# Allegro board BeagleBone_AI-64_Rev_B1_PCB_220602.brd (continued)
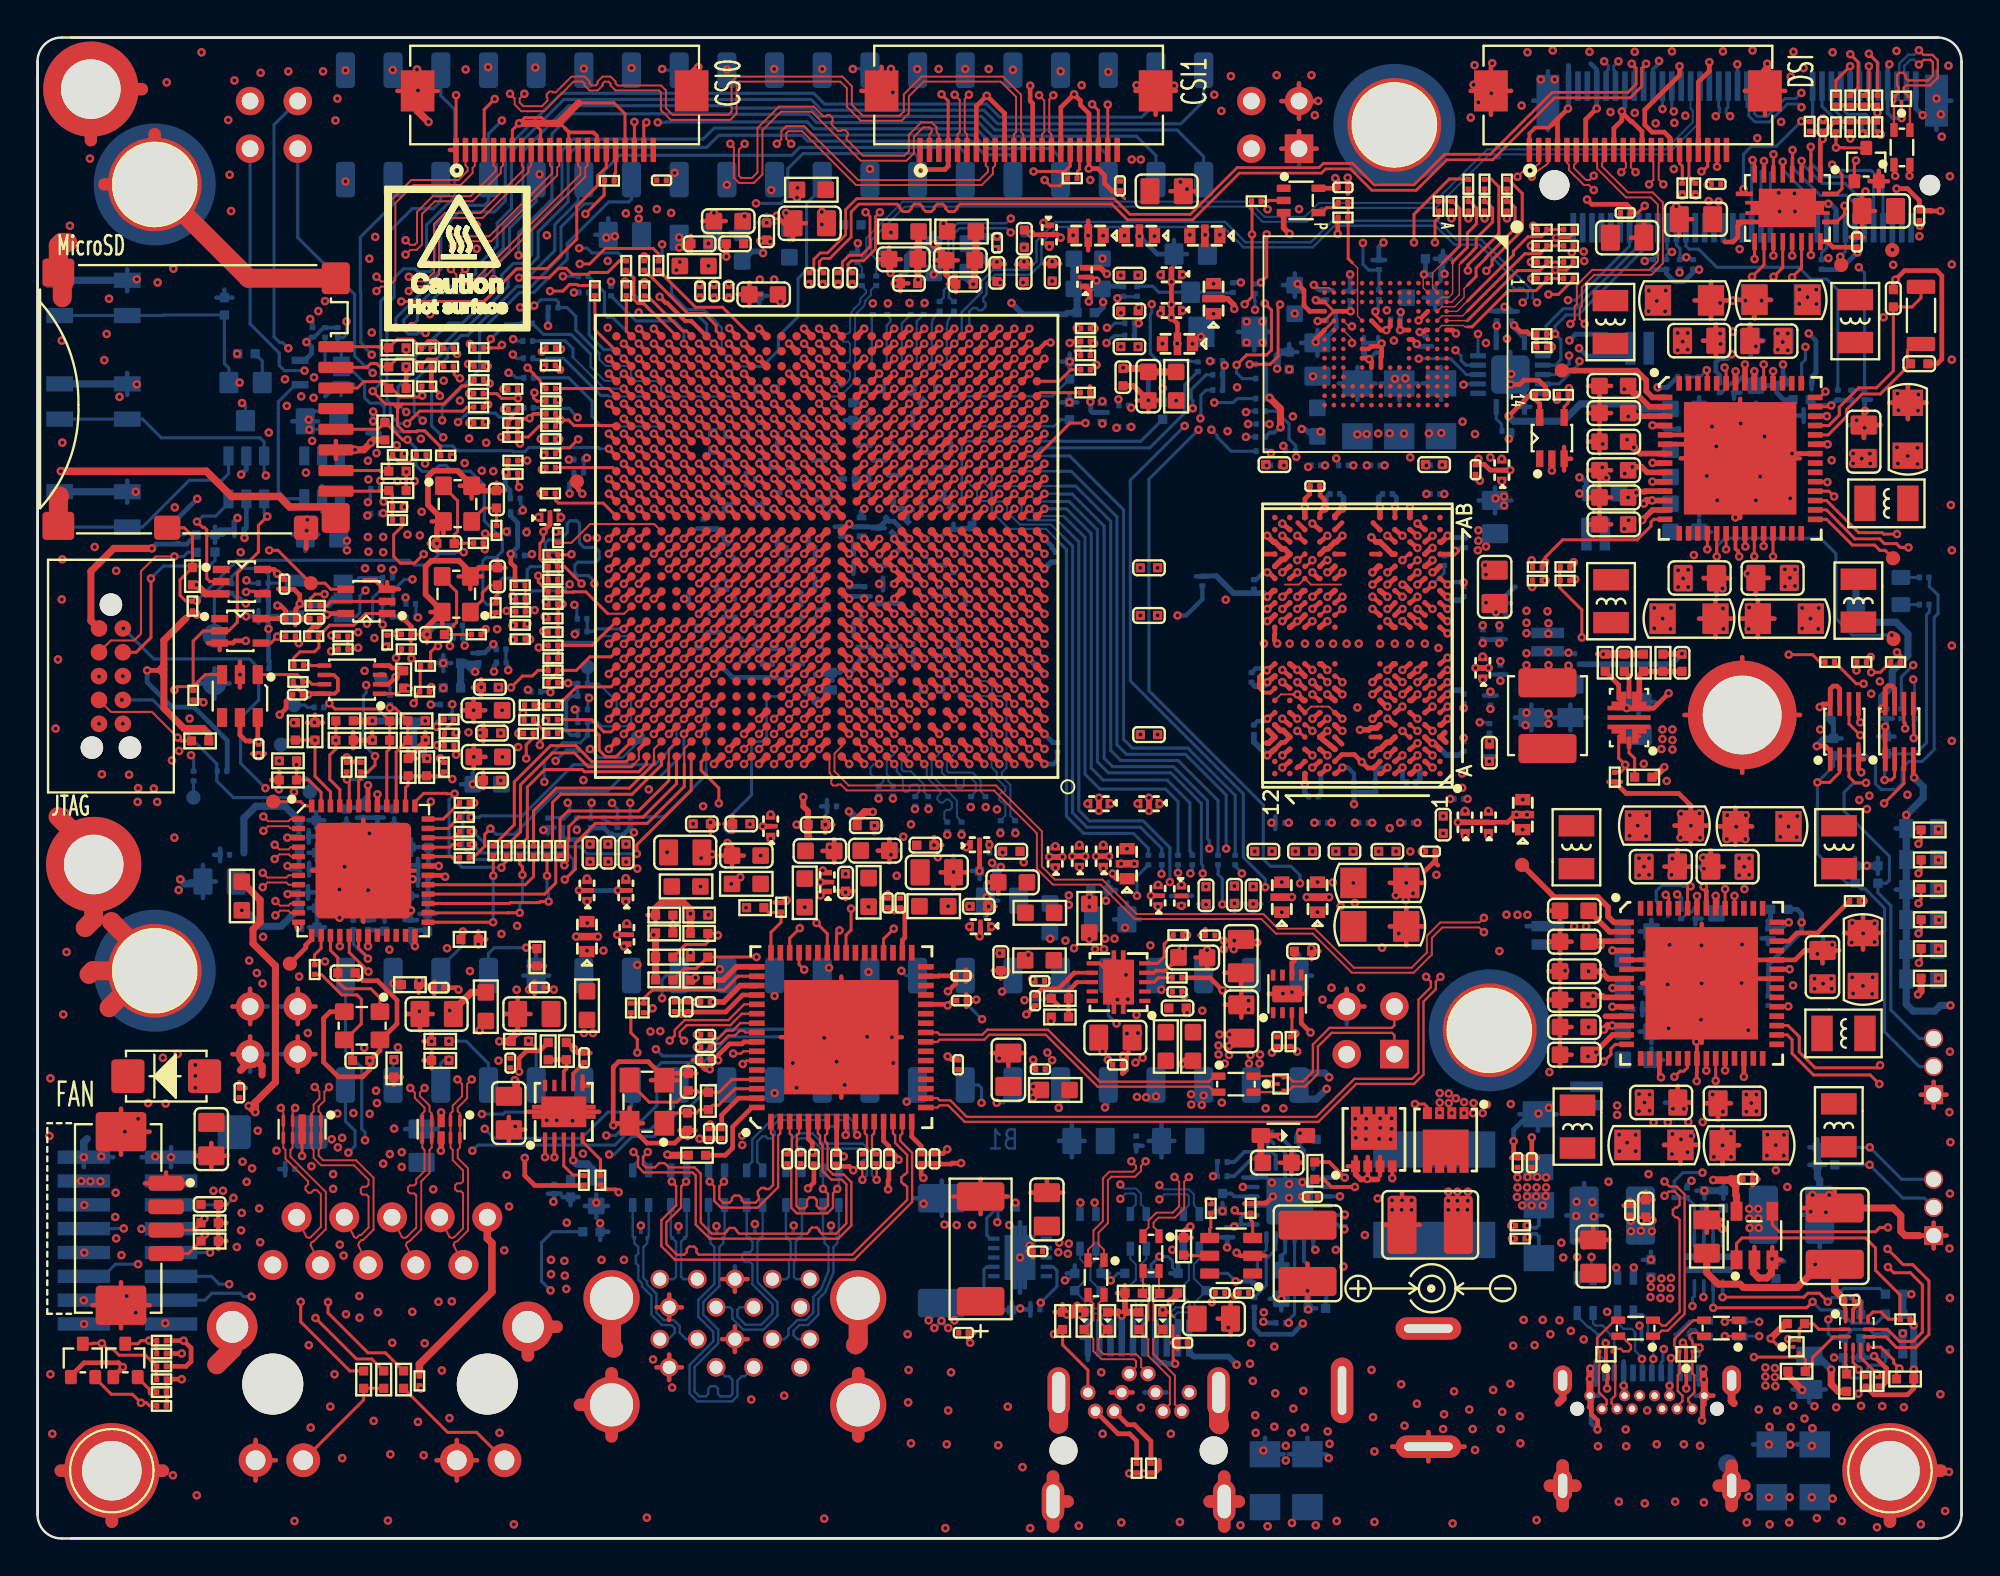
[diagram p0: board, top side]
## Routing (per net, layer and track width the routed paths; a pad name or vN(x,y) marks a point on that pad's centre or on a via; arc(x,y) is an arc through that point) (continued)
LPDDR4_DQ6: length 31.5
  TOP w0.264: v1(71.91,41.74) 71.97,41.74 72.3,42.07 U25.C4 ; U19.A2 v1(52.84,41.28)
  L5-SIGNAL w0.159: v1(71.91,41.74) 71.17,40.99 70.31,40.99 70.16,41.15 70.16,41.6 70,41.76 69.27,41.76 69.11,41.6 69.11,40.94 69.11,40.94 69.11,40.93 68.88,40.69 68.87,40.69 68.79,40.62 68.59,40.62 67.82,40.62 67.62,40.62 67.41,40.82 67.41,41.56 67.23,41.75 66.91,41.75 66.75,41.59 66.75,40.38 66.6,40.23 66.02,40.23 65.87,40.38 65.87,40.79 65.59,41.07 62.99,41.07 62.84,41.22 62.84,41.45 62.99,41.6 64.72,41.6 64.87,41.76 64.87,41.98 64.72,42.14 62.54,42.14 62.3,41.9 62.3,41.22 62.05,40.97 59.92,40.97 59.68,41.21 59.68,41.67 59.19,42.16 54.48,42.16 53.99,41.68 53.24,41.68 v1(52.84,41.28)
LPDDR4_DQ7: length 31.6
  TOP w0.264: U25.B4 72.32,41.42 72.71,41.74 v1(72.71,41.74) ; U19.A4 v1(51.24,41.28)
  L5-SIGNAL w0.159: v1(72.71,41.74) 73,41.46 73,41.46 73.11,41.34 73.11,40.8 72.62,40.31 69.94,40.31 69.15,39.52 68.59,39.52 68.21,39.52 67.76,39.06 65.36,39.06 64.87,38.58 60.44,38.58 60.22,38.8 60.22,39.19 60.45,39.42 62.21,39.42 62.39,39.6 62.39,39.92 62.21,40.1 57.99,40.1 56.85,41.25 54.85,41.25 53.97,40.36 52.16,40.36 v1(51.24,41.28)
LPDDR4_DQ8: length 25.5
  TOP w0.264: U25.B11 v1(66.31,41.09) ; v1(53.64,43.68) 53.24,44.08 U19.D1
  L3-SIGNAL w0.159: v1(66.31,41.09) 66.71,41.58 66.71,41.91 66.48,42.14 63.52,42.14 63.52,42.14 62.68,42.14 62.5,42.32 62.5,45.67 62.35,45.82 61.92,45.82 61.81,45.71 61.81,41.89 61.65,41.73 61.26,41.73 61.1,41.89 61.1,43.08 60.95,43.23 60.54,43.23 59.86,43.91 55.63,43.91 55.48,43.76 55.48,43.26 55.3,43.09 55.04,43.09 54.89,43.24 54.89,43.71 54.76,43.84 54.21,43.84 54.05,43.68 v1(53.64,43.68)
LPDDR4_DQ9: length 25.5
  TOP w0.264: U25.C11 v1(66.31,41.74) ; U19.C4 v1(51.24,42.88)
  L3-SIGNAL w0.159: v1(51.24,42.88) 51.64,43.28 51.64,43.85 51.87,44.08 52.24,44.08 52.44,43.88 52.44,43.61 52.44,43.6 52.44,43.52 52.67,43.28 53.79,43.28 53.8,43.28 53.8,43.28 54.04,43.05 54.04,43.04 54.45,42.63 55.82,42.63 55.97,42.78 55.97,43.29 56.12,43.44 56.34,43.44 56.5,43.28 56.5,42.76 56.66,42.61 56.89,42.61 57.04,42.76 57.04,43.21 57.2,43.38 57.42,43.38 57.57,43.23 57.57,42.8 57.72,42.64 57.94,42.64 58.09,42.8 58.09,43.28 58.27,43.46 59.11,43.46 59.23,43.33 59.23,42.46 59.44,42.25 59.76,42.25 60.24,42.73 60.46,42.73 60.65,42.54 60.65,41.38 60.99,41.04 62.27,41.04 62.42,41.2 62.42,41.53 62.57,41.68 62.8,41.68 62.96,41.53 62.96,41.2 63.11,41.04 63.34,41.04 63.49,41.2 63.49,41.53 63.64,41.68 63.87,41.68 64.02,41.53 64.02,41.2 64.17,41.04 65.62,41.04 v1(66.31,41.74)
LPDDR4_DQ10: length 25.5
  TOP w0.264: v1(53.64,45.28) 53.24,45.68 U19.F1 ; U25.E11 v1(66.31,43.69)
  L3-SIGNAL w0.159: v1(53.64,45.28) 54.22,45.28 54.36,45.42 54.36,45.6 54.66,45.9 54.89,45.9 55.05,45.74 55.05,45.3 55.19,45.16 55.5,45.16 55.66,45.31 55.66,45.74 55.81,45.9 56.04,45.9 56.19,45.74 56.19,45.31 56.34,45.16 56.57,45.16 56.72,45.31 56.72,45.74 56.88,45.9 57.1,45.9 57.26,45.74 57.26,45.31 57.41,45.16 57.71,45.16 57.87,45.31 57.87,46.78 58.04,46.96 58.34,46.96 58.49,46.8 58.49,45.27 58.65,45.12 58.97,45.12 59.13,45.27 59.13,46.79 59.36,47.02 63.22,47.02 63.67,46.57 63.67,43.43 63.82,43.28 64.14,43.28 64.29,43.43 64.89,43.43 65.04,43.28 65.46,43.28 65.47,43.28 65.9,43.28 v1(66.31,43.69)
LPDDR4_DQ11: length 25.5
  TOP w0.264: U25.F11 66.71,44.02 v1(67.11,43.69) ; U19.G2 v1(52.84,46.08)
  L3-SIGNAL w0.159: v1(67.11,43.69) 66.96,43.85 66.77,43.85 66.47,44.14 65.22,44.14 64.97,43.89 64.37,43.89 64.12,44.13 64.12,46.76 63.47,47.42 57.83,47.42 57.47,47.77 56.7,47.77 56.35,47.42 54.84,47.42 54.69,47.27 54.69,47.04 54.84,46.89 57.24,46.89 57.39,46.73 57.39,46.51 57.24,46.35 54.47,46.35 53.8,45.68 53.24,45.68 v1(52.84,46.08)
LPDDR4_DQ12: length 25.5
  TOP w0.264: v1(52.84,45.28) 52.84,45.28 U19.F2 ; U25.F9 68.31,44.02 v1(67.91,43.69)
  L3-SIGNAL w0.159: v1(67.91,43.69) 68.21,43.69 68.32,43.8 68.32,44.03 68.16,44.18 66.82,44.18 66.45,44.55 65.49,44.55 65.31,44.72 64.78,44.72 64.58,44.92 64.58,46.95 63.66,47.88 58.02,47.88 57.48,48.41 56.42,48.41 56.26,48.26 56.26,48.05 56.11,47.9 55.59,47.9 55.44,48.05 55.44,48.26 55.29,48.41 54.82,48.41 54.08,47.67 54.08,46.65 53.91,46.48 53.39,46.48 53.23,46.64 53.23,46.71 53.24,46.72 53.24,47.05 53.23,47.05 53.23,47.1 53.05,47.28 52.62,47.28 52.44,47.1 52.44,45.43 52.59,45.28 v1(52.84,45.28)
LPDDR4_DQ13: length 25.5
  TOP w0.264: v1(52.04,45.28) 52.04,45.28 U19.F3 ; v1(68.71,43.69) 68.31,43.37 U25.E9
  L3-SIGNAL w0.159: v1(52.04,45.28) U19.F3 51.64,47.88 51.85,48.08 53.8,48.08 54.59,48.87 57.7,48.87 58.21,48.36 63.84,48.36 65.04,47.16 65.04,45.56 65.59,45.01 66.52,45.01 66.94,44.6 68.89,44.6 69.14,44.34 69.14,43.91 68.92,43.69 v1(68.71,43.69)
LPDDR4_DQ14: length 25.5
  TOP w0.264: U19.D3 v1(52.04,43.68) ; U25.C9 v1(68.71,41.74)
  L3-SIGNAL w0.159: v1(52.04,43.68) 52.04,43.44 52.2,43.28 52.2,43.28 52.44,43.05 52.44,42.73 52.44,42.72 52.44,42.72 52.68,42.48 53.95,42.48 54.29,42.14 58.87,42.14 59.1,41.91 59.1,41.22 59.4,40.93 60.01,40.93 60.46,40.49 66.32,40.49 67.11,41.27 67.11,41.75 67.92,42.57 69.17,42.57 69.39,42.34 69.39,41.62 69.12,41.35 69.12,40.76 68.91,40.56 68.55,40.56 68.32,40.79 68.32,41.35 v1(68.71,41.74)
LPDDR4_DQ15: length 25.5
  TOP w0.264: U19.F5 v1(50.44,45.28) ; U25.B9 v1(67.91,41.09)
  L3-SIGNAL w0.159: v1(67.91,41.09) 67.91,40.52 68.12,40.31 68.12,39.97 67.72,39.57 60.02,39.57 59.61,39.98 57.85,39.98 57.01,40.82 50.32,40.82 50.04,41.09 50.04,44.88 v1(50.44,45.28)
LPDDR4_DQ16: length 31.5
  TOP w0.264: v1(73.51,54.1) 73.91,53.77 U25.AA2 ; U19.L5 50.44,49.28 v1(50.44,49.28)
  L5-SIGNAL w0.159: v1(73.51,54.1) 73.39,54.22 72.79,54.22 72.47,54.55 70.94,54.55 70.74,54.74 70.74,55.05 70.73,55.08 70.61,55.2 70.25,55.2 70.09,55.05 70.09,54.37 69.93,54.21 69.27,54.21 69.11,54.37 69.11,55.37 68.89,55.6 56.34,55.6 55.45,54.71 55.45,53.25 55.09,52.88 52.66,52.88 52.44,52.66 52.44,52.3 52.22,52.08 51.86,52.08 51.64,51.86 51.64,51.5 51.42,51.28 51.03,51.28 50.84,51.09 50.84,49.68 v1(50.44,49.28)
LPDDR4_DQ17: length 31.5
  TOP w0.264: v1(50.44,50.08) 50.04,50.48 U19.M5 ; U25.Y2 74.31,53.44 v1(74.31,53.45)
  L5-SIGNAL w0.159: v1(50.44,50.08) 50.04,50.48 50.04,51.84 50.28,52.08 50.62,52.08 50.84,52.3 50.84,52.66 51.06,52.88 51.42,52.88 51.64,53.1 51.64,53.45 52.33,54.14 53.49,54.14 55.88,56.54 72.21,56.54 74.31,54.44 v1(74.31,53.45)
LPDDR4_DQ18: length 31.5
  TOP w0.264: v1(50.44,50.88) 50.04,51.28 U19.N5
  TOP w0.305: v1(74.31,52.15) 74.15,51.98 74.11,51.98 73.95,51.82 U25.V2
  L5-SIGNAL w0.159: v1(74.31,52.15) 73.92,52.54 73.92,54.3 73.66,54.56 72.95,54.56 72.71,54.79 72.71,55.43 72.06,56.08 56.09,56.08 54.99,54.99 54.99,53.95 54.73,53.68 52.67,53.68 52.44,53.45 52.44,53.1 52.22,52.88 51.87,52.88 51.64,52.65 51.64,52.32 51.64,52.32 51.4,52.08 51.07,52.08 50.84,51.85 50.84,51.49 50.44,51.09 v1(50.44,50.88)
LPDDR4_DQ19: length 31.5
  TOP w0.264: U19.L4 51.24,49.28 v1(51.24,49.28) ; v1(73.51,50.84) 73.52,50.84 U25.U2
  L5-SIGNAL w0.159: v1(73.51,50.84) 73.5,50.84 72.92,51.42 72.49,51.42 72.31,51.24 72.31,48.43 71.98,48.11 71.35,48.11 70.54,47.29 64.38,47.29 64.22,47.44 64.22,48.23 64.07,48.38 63.53,48.38 63.38,48.23 63.38,47.53 63.18,47.33 57.44,47.33 56.94,46.83 54.38,46.83 54.03,46.48 51.87,46.48 51.64,46.72 51.64,46.76 51.64,46.76 51.64,48.88 v1(51.24,49.28)
LPDDR4_DQ20: length 31.5
  TOP w0.264: U19.L2 52.44,49.68 v1(52.84,49.28) ; v1(71.91,50.84) 71.92,50.84 U25.U4
  L5-SIGNAL w0.159: v1(71.91,50.84) 71.51,50.44 71.51,48.7 71.29,48.47 70.4,48.47 70.02,48.09 65.05,48.09 64.15,48.99 62.77,48.99 62.36,48.59 62.36,48.2 62.21,48.05 61.98,48.05 61.83,48.2 61.83,48.59 61.67,48.74 61.44,48.74 61.29,48.59 61.29,47.94 61.14,47.79 60.91,47.79 60.76,47.94 60.76,48.59 60.61,48.74 60.38,48.74 60.23,48.59 60.23,47.94 60.07,47.79 59.84,47.79 59.69,47.94 59.69,48.59 59.54,48.74 59.31,48.74 59.16,48.59 59.16,47.94 59.01,47.79 58.78,47.79 58.63,47.94 58.63,48.59 58.47,48.74 58.19,48.74 56.74,47.28 52.67,47.28 52.44,47.52 52.44,48.88 v1(52.84,49.28)
LPDDR4_DQ21: length 31.5
  TOP w0.264: U25.V4 71.92,51.49 v1(71.91,51.5) ; U19.L1 53.24,49.68 v1(53.64,49.28)
  L5-SIGNAL w0.159: v1(53.64,49.28) 53.64,49.2 55.02,47.83 56.62,47.83 57.58,48.79 57.58,50.67 58.04,51.13 59.74,51.13 59.95,50.92 59.95,50.62 59.79,50.47 58.35,50.47 58.19,50.32 58.19,50.04 58.4,49.83 60.73,49.83 61.27,49.29 61.52,49.29 61.79,49.56 61.79,49.97 61.92,50.11 62.53,50.11 62.68,49.95 62.68,49.62 62.84,49.45 64.37,49.45 65.41,48.41 69.42,48.41 70.37,49.35 70.37,50.64 70.62,50.89 70.62,51.79 70.82,51.99 71.41,51.99 71.58,51.82 71.58,51.82 71.91,51.5 v1(71.91,51.5)
LPDDR4_DQ22: length 31.5
  TOP w0.264: v1(52.84,50.88) 52.84,50.88 U19.N2 ; v1(71.91,53.45) 72.31,53.12 U25.Y4
  L5-SIGNAL w0.159: v1(52.84,50.88) 53.24,51.28 53.47,51.28 53.79,51.28 53.8,51.28 53.8,51.28 53.92,51.39 54.3,51.39 54.67,51.03 55.3,51.03 56.67,52.4 56.67,54.43 56.82,54.58 57.18,54.58 57.33,54.43 57.33,53.8 57.49,53.64 57.71,53.64 57.86,53.79 57.86,54.43 58.02,54.58 61.52,54.58 61.67,54.43 61.67,53.62 61.83,53.46 63.6,53.46 63.85,53.22 63.85,52.07 64,51.92 64.68,51.92 65.05,52.28 65.05,52.68 64.9,52.83 64.48,52.83 64.32,52.98 64.32,53.21 64.48,53.36 64.9,53.36 65.05,53.52 65.05,53.81 65.18,53.94 65.18,54.35 65.43,54.61 66.52,54.61 68.1,53.03 69.75,53.03 70.57,53.85 71.51,53.85 v1(71.91,53.45)
LPDDR4_DQ23: length 31.5
  TOP w0.264: v1(72.71,53.45) 72.71,53.45 U25.AA4 ; v1(51.24,50.88) 51.24,50.88 U19.N4
  L5-SIGNAL w0.159: v1(72.71,53.45) 72.71,53.86 72.37,54.21 70.4,54.21 70.04,53.85 68.88,53.85 68.22,54.51 67.29,54.51 66.75,55.04 63.18,55.04 63.03,54.89 63.03,54.67 63.19,54.51 64.57,54.51 64.72,54.35 64.72,54.13 64.57,53.97 62.39,53.97 62.16,54.2 62.16,54.89 62.01,55.04 56.47,55.04 56.12,54.7 56.12,53.19 55.02,52.08 52.67,52.08 52.44,51.85 52.44,51.5 52.23,51.29 52.21,51.29 52.2,51.28 51.87,51.28 51.87,51.29 51.86,51.29 51.44,50.88 v1(51.24,50.88)
LPDDR4_DQ24: length 21.9
  TOP w0.264: U19.T3 52.04,53.28 v1(52.04,53.28) ; U25.AA11 66.71,53.77 v1(66.31,54.1)
  L3-SIGNAL w0.159: v1(52.04,53.28) 52.84,54.08 54.18,54.08 55.27,55.18 55.47,55.18 55.65,55.35 55.65,55.6 55.8,55.75 56.03,55.75 56.19,55.6 56.19,55.35 56.34,55.2 56.57,55.2 56.72,55.35 56.72,55.6 56.87,55.75 57.1,55.75 57.25,55.6 57.25,55.22 57.54,54.93 59.89,54.93 60.11,54.71 60.11,54.4 60.26,54.25 60.49,54.25 60.64,54.41 60.64,55.61 60.81,55.78 61.08,55.78 61.28,55.57 61.28,54.86 61.41,54.73 61.75,54.73 61.9,54.89 61.9,55.52 62.05,55.67 64.19,55.67 65.46,54.4 66,54.4 v1(66.31,54.1)
LPDDR4_DQ25: length 21.9
  TOP w0.264: v1(66.31,53.45) 66.31,53.44 U25.Y11 ; v1(52.84,53.28) 52.44,53.68 U19.T2
  L3-SIGNAL w0.159: v1(66.31,53.45) 65.92,53.84 65.35,53.84 65.12,53.61 64.79,53.61 64.63,53.77 64.63,54.55 64.12,55.06 63.86,55.06 63.71,54.91 63.71,53.85 63.55,53.69 63.2,53.69 63.05,53.85 63.05,55.01 62.87,55.19 62.51,55.19 62.36,55.04 62.36,53.87 62.21,53.72 61.86,53.72 61.71,53.87 61.71,54.07 61.56,54.22 61.33,54.22 61.18,54.07 61.18,53.87 61.03,53.72 59.84,53.72 59.03,54.53 55.27,54.53 54.76,54.02 54.76,53.52 54.5,53.26 54.29,53.26 53.86,53.69 53.06,53.69 52.84,53.47 v1(52.84,53.28)
LPDDR4_DQ26: length 21.9
  TOP w0.264: v1(66.31,51.5) 66.71,51.82 U25.V11 ; U19.P2 v1(52.84,51.68)
  L3-SIGNAL w0.159: v1(52.84,51.68) 53.24,51.28 53.95,51.28 54.28,50.95 54.54,50.95 54.69,51.1 54.69,51.46 54.84,51.61 55.07,51.61 55.22,51.46 55.22,51 55.37,50.85 55.68,50.85 55.81,50.98 55.81,51.71 55.96,51.86 56.23,51.86 56.39,51.71 56.39,51 56.54,50.85 58.3,50.85 58.71,51.25 59.18,51.25 59.59,50.85 60.15,50.85 60.3,51 60.3,51.83 60.46,51.99 60.91,51.99 61.05,51.85 61.05,51 61.2,50.85 61.52,50.85 61.7,51.03 61.7,51.83 61.86,51.99 62.96,51.99 63.25,51.71 63.25,51.36 63.5,51.1 64.46,51.1 64.61,51.25 64.66,51.25 65.31,51.89 65.92,51.89 v1(66.31,51.5)
LPDDR4_DQ27: length 21.9
  TOP w0.264: U19.P3 52.04,51.68 v1(52.04,51.68) ; v1(67.11,51.5) 66.71,51.17 U25.U11
  L3-SIGNAL w0.159: v1(67.11,51.5) 66.72,51.1 65.02,51.1 64.66,50.74 64.66,49.95 64.48,49.77 64.19,49.77 64.04,49.93 64.04,50.42 63.88,50.57 62.98,50.57 62.82,50.73 62.82,51.45 62.67,51.59 62.38,51.59 62.23,51.45 62.23,49.83 62.11,49.71 61.81,49.71 61.66,49.86 61.66,50.23 61.5,50.39 54.56,50.39 54.47,50.48 52.68,50.48 52.44,50.72 52.44,51.28 v1(52.04,51.68)
LPDDR4_DQ28: length 21.9
  TOP w0.264: v1(67.91,51.5) 68.24,51.17 U25.U9 ; v1(50.44,51.68) 50.04,52.08 U19.P5
  L3-SIGNAL w0.159: v1(67.91,51.5) 67.91,50.79 67.72,50.59 65.25,50.59 65.05,50.39 65.05,49.65 64.71,49.31 61.51,49.31 60.96,49.86 54.05,49.86 53.88,49.68 52.66,49.68 52.43,49.9 52.43,49.91 52.44,49.92 52.44,50.25 52.43,50.25 52.43,50.26 52.22,50.48 52.21,50.48 52.2,50.48 51.87,50.48 51.64,50.72 51.64,51.05 51.63,51.05 51.63,51.06 51.42,51.28 51.41,51.28 51.4,51.28 51.08,51.28 51.07,51.28 51.06,51.28 50.65,51.68 v1(50.44,51.68)
LPDDR4_DQ29: length 21.9
  TOP w0.264: v1(68.71,52.15) 68.64,52.15 U25.V9 ; v1(51.24,52.48) 51.24,52.48 U19.R4
  L3-SIGNAL w0.159: v1(51.24,52.48) 51.47,52.48 51.87,52.88 54.01,52.88 54.1,52.8 55.09,52.8 55.25,52.96 55.25,53.87 55.5,54.13 58.85,54.13 59.72,53.26 64.11,53.26 64.32,53.05 69.05,53.05 69.21,52.89 69.21,52.54 69.09,52.43 68.99,52.43 v1(68.71,52.15)
LPDDR4_DQ30: length 21.9
  TOP w0.264: U25.Y9 68.71,53.44 v1(68.71,53.45) ; v1(51.24,53.28) 50.84,53.68 U19.T4
  L3-SIGNAL w0.159: v1(51.24,53.28) 51.24,53.42 52.44,54.62 52.44,55.05 52.67,55.28 54.03,55.28 55.35,56.6 58.08,56.6 58.42,56.26 59.87,56.26 60.25,56.64 64.53,56.64 65.85,55.32 66.04,55.32 67.92,53.45 v1(68.71,53.45)
LPDDR4_DQ31: length 21.9
  TOP w0.264: U19.T5 50.04,53.68 v1(50.44,53.28) ; U25.AA9 68.31,53.77 v1(67.91,54.1)
  L3-SIGNAL w0.159: v1(67.91,54.1) 67.63,54.38 67.44,54.38 64.78,57.04 55.19,57.04 54.23,56.08 52.67,56.08 52.67,56.08 52.63,56.08 52.44,55.89 52.44,55.5 52.22,55.28 52.21,55.28 52.2,55.28 51.87,55.28 51.64,55.05 51.64,55.04 51.64,55.04 51.64,54.48 v1(50.44,53.28)
LPDDR4_DQS0_N: length 31.6
  TOP w0.167: U25.E3 v1(73.51,43.04) ; U19.B1 53.64,42.08 v1(53.64,42.08)
  L5-SIGNAL w0.151: v1(73.51,43.04) 73.48,43.04 72.9,42.47 72.57,42.47 72.26,42.47 72.09,42.29 65.69,42.29 64.62,43.36 63.88,43.36 63.14,42.62 62.54,42.62 62.11,43.05 62.11,43.78 61.95,43.94 61.62,43.94 61.47,43.79 61.47,41.97 61.1,41.6 60.5,41.6 60.15,41.96 60.15,43.89 60,44.04 59.59,44.04 59.44,43.89 59.44,43.63 59.11,43.3 58.5,43.3 58.17,43.64 58.17,43.91 58.02,44.06 57.73,44.06 57.58,43.91 57.58,43.13 57.18,42.72 56.67,42.72 56.34,43.05 56.34,43.88 56.11,44.1 55.91,44.1 55.76,43.95 55.76,43 55.42,42.67 54.41,42.67 53.93,42.19 53.75,42.19 v1(53.64,42.08)
LPDDR4_DQS0_P: length 31.6
  TOP w0.167: U25.D3 73.04,42.72 v1(72.71,43.04) ; U19.B2 v1(52.84,42.08)
  L5-SIGNAL w0.151: v1(72.71,43.04) 72.41,43.04 71.96,42.6 65.81,42.6 64.75,43.66 63.76,43.66 63.02,42.92 62.67,42.92 62.41,43.18 62.41,43.91 62.08,44.24 61.49,44.24 61.17,43.91 61.17,42.1 60.97,41.91 60.63,41.91 60.45,42.09 60.45,44.01 60.12,44.35 59.46,44.35 59.13,44.01 59.13,43.76 58.98,43.61 58.63,43.61 58.47,43.76 58.47,44.03 58.14,44.37 57.61,44.37 57.28,44.04 57.28,43.26 57.05,43.03 56.79,43.03 56.64,43.18 56.64,44 56.24,44.41 55.78,44.41 55.45,44.08 55.45,43.13 55.3,42.97 54.28,42.97 53.8,42.49 53.62,42.49 53.61,42.49 53.49,42.49 53.48,42.47 53.48,42.47 53.25,42.24 53.25,42.24 53.08,42.08 v1(52.84,42.08)
LPDDR4_DQS1_N: length 25.5
  TOP w0.167: U25.E10 67.59,43.37 v1(67.91,43.04) ; U19.E2 v1(52.84,44.48)
  L3-SIGNAL w0.151: v1(67.91,43.04) 67.74,43.04 67.12,42.42 66.6,42.42 66.46,42.56 66,42.56 63.21,42.56 62.89,42.87 62.89,46.17 62.79,46.28 61.56,46.28 61.39,46.11 61.39,44.44 61.08,44.12 60.62,44.12 60.3,44.45 60.3,46.09 60.17,46.21 60,46.21 59.87,46.09 59.87,44.68 59.55,44.36 54.09,44.36 53.81,44.07 53.25,44.07 v1(52.84,44.48)
LPDDR4_DQS1_P: length 25.5
  TOP w0.167: U25.D10 67.11,43.04 v1(67.11,43.04) ; U19.E3 52.04,44.48 v1(52.04,44.48)
  L3-SIGNAL w0.151: v1(67.11,43.04) 67.11,42.84 66.99,42.72 66.73,42.72 66.58,42.86 65.87,42.86 65.87,42.86 63.34,42.86 63.2,43 63.2,46.3 62.92,46.58 61.43,46.58 61.09,46.24 61.09,44.57 60.95,44.43 60.75,44.43 60.6,44.57 60.6,46.21 60.3,46.52 59.87,46.52 59.57,46.21 59.57,44.81 59.42,44.66 54.02,44.66 53.81,44.88 52.44,44.88 52.2,44.64 52.09,44.64 52.04,44.59 v1(52.04,44.48)
LPDDR4_DQS2_N: length 31.5
  TOP w0.167: U25.V3 73.11,51.82 v1(73.51,52.14) ; U19.M2 52.84,50.08 v1(52.84,50.08)
  L5-SIGNAL w0.151: v1(52.84,50.08) 53.25,49.68 53.81,49.68 53.91,49.78 54.66,49.78 54.82,49.63 54.82,48.99 55.42,48.38 56.39,48.38 57.08,49.07 57.08,51.1 58.14,52.17 60.28,52.17 60.45,51.99 60.45,50.77 60.87,50.36 61.41,50.36 61.85,50.8 61.85,51.99 62.11,52.25 62.41,52.25 62.56,52.09 62.56,50.98 62.95,50.59 69.59,50.59 70.2,51.2 70.2,51.91 70.61,52.32 71.98,52.32 72.55,51.75 73.12,51.75 v1(73.51,52.14)
LPDDR4_DQS2_P: length 31.5
  TOP w0.167: v1(52.04,50.08) 52.04,50.08 U19.M3 ; v1(72.71,52.15) 73.04,52.47 U25.W3
  L5-SIGNAL w0.151: v1(72.71,52.15) 72.61,52.15 72.13,52.63 70.49,52.63 69.9,52.04 69.9,51.33 69.47,50.89 63.08,50.89 62.87,51.1 62.87,52.22 62.54,52.55 61.98,52.55 61.55,52.12 61.55,50.92 61.28,50.66 61,50.66 60.76,50.9 60.76,52.12 60.4,52.47 58.02,52.47 56.77,51.23 56.77,49.2 56.26,48.69 55.55,48.69 55.12,49.12 55.12,49.76 54.79,50.09 54.33,50.09 53.93,50.49 52.32,50.49 52.04,50.21 v1(52.04,50.08)
LPDDR4_DQS3_N: length 21.9
  TOP w0.167: U25.V10 67.59,51.82 v1(67.91,52.15) ; v1(53.64,52.48) 53.64,52.48 U19.R1
  L3-SIGNAL w0.151: v1(53.64,52.48) 53.73,52.4 55.38,52.4 55.68,52.7 55.68,53.08 55.68,53.34 56.01,53.67 56.85,53.67 57.16,53.35 57.16,51.75 57.26,51.65 57.47,51.65 57.66,51.83 57.66,53.34 58.04,53.72 58.55,53.72 58.96,53.31 58.96,52.63 59.13,52.45 59.64,52.45 59.97,52.78 63.53,52.78 63.86,52.45 63.86,52.14 64.01,51.99 64.26,51.99 64.93,52.66 67.4,52.66 v1(67.91,52.15)
LPDDR4_DQS3_P: length 21.9
  TOP w0.167: U19.R2 52.44,52.88 v1(52.84,52.48) ; U25.W10 67.51,52.47 67.11,52.14 v1(67.11,52.15)
  L3-SIGNAL w0.151: v1(52.84,52.48) 53.23,52.09 55.51,52.09 55.98,52.57 55.98,53.21 56.14,53.36 56.72,53.36 56.86,53.22 56.86,51.62 57.14,51.34 57.6,51.34 57.97,51.71 57.97,53.21 58.17,53.41 58.42,53.41 58.65,53.19 58.65,52.5 59.01,52.14 59.77,52.14 60.1,52.47 63.41,52.47 63.55,52.33 63.55,52.02 63.88,51.69 64.39,51.69 65.05,52.35 66.91,52.35 v1(67.11,52.15)
LPDDR4_ODT_CA_A: length 5.6
  TOP w0.229: v1(74.31,44.99) 73.99,44.67 U25.G2
  L3-SIGNAL w0.102: v1(76.83,43.5) 76.54,43.21 74.69,43.21 73.95,43.95 73.95,44.63 v1(74.31,44.99)
  BOTTOM w0.165: v1(76.83,43.5) 77.16,43.5 77.21,43.46 77.35,43.46 R38.2
LPDDR4_ODT_CA_B: length 1.8
  TOP w0.229: v1(74.31,50.84) 73.99,50.52 U25.T2
  BOTTOM w0.076: R39.2 74.93,51.84
  BOTTOM w0.165: v1(74.31,50.84) 74.93,51.46 74.93,51.84
LPDDR4_RST#: length 23
  TOP w0.229: U25.T11 66.71,50.52 v1(66.31,50.19) ; v1(49.64,48.48) 49.24,48.88 U19.K6
  L3-SIGNAL w0.102: v1(49.64,48.48) 50.03,48.09 50.7,48.09 50.86,48.25 50.86,48.65 51.09,48.88 53.76,48.88 54.2,49.32 58.02,49.32 58.52,48.82 60.35,48.82 v1(60.73,49.2) 61.11,48.82 64.65,48.82 64.95,48.51 65.65,48.51 65.92,48.78 65.92,49.8 v1(66.31,50.19)
  BOTTOM w0.165: R66.1 62.05,50.75
  BOTTOM w0.229: v1(60.73,49.2) 61.19,49.2 62.05,50.06 62.05,50.75
LPDDR4_ZQ0: length 1.8
  TOP w0.229: v1(71.91,41.09) 71.59,40.77 U25.A5
  BOTTOM w0.076: R42.2 71.27,40.33
  BOTTOM w0.229: v1(71.91,41.09) 71.48,41.09 71.27,40.89 71.27,40.33
LPDDR4_ZQ1: length 2.3
  TOP w0.229: 69.11,40.77 v1(69.51,41.09) 69.19,40.77 U25.A8 69.11,40.77
  BOTTOM w0.076: R43.2 70.13,40.33
  BOTTOM w0.229: 70.13,40.33 70.13,40.76 69.8,41.09 v1(69.51,41.09)
LS2_CT: length 1.3
  TOP w0.254: C455.1 66.95,30.8 66.82,30.67 U23.6
M2_USB1_DN3_D_N: length 9.4
  TOP w0.13: L26.3 99.75,76.78 D42.2 99.41,77.11 99.41,77.32 99.54,77.45 100.82,77.45 101.23,77.86 101.23,78.79 100.95,79.08 100.47,79.08 v1(100.23,79.32)
  BOTTOM w0.13: 99.06,77.17 J4.5 99.06,78.02 99.18,78.14 99.18,78.6 99.66,79.09 99.99,79.09 v1(100.23,79.32)
M2_USB1_DN3_D_P: length 9.4
  TOP w0.13: v1(100.23,78.56) 100.47,78.81 100.84,78.81 100.97,78.68 100.97,77.97 100.71,77.72 99.64,77.72 99.52,77.84 99.52,77.99 99.39,78.12 99.19,78.12 99.06,77.99 99.06,77.45 99.15,77.36 99.15,77.07 D42.3 98.96,76.59 98.9,76.53 L26.2
  BOTTOM w0.13: v1(100.23,78.56) 99.97,78.82 99.77,78.82 99.45,78.49 99.45,78.14 99.56,78.02 J4.3 99.56,77.17
M.2_I2C0_SCL: length 34.4
  TOP w0.229: v1(50.44,59.69) 50.04,59.29 U19.AC5
  L5-SIGNAL w0.102: v1(62.69,60.54) 63.12,60.98 64.08,60.98 64.74,61.64 67.36,61.64 67.66,61.33 70.91,61.33 71.17,61.59 71.19,61.59 72.91,63.3 73.63,63.3 74.97,64.63 75.9,64.63 76.33,64.2 v1(76.74,64.2)
  L12-SIGNAL w0.102: v1(50.44,59.69) 50.44,59.93 50.85,60.33 50.85,60.65 51.08,60.88 53.76,60.88 54.07,60.56 54.07,60.29 54.51,59.86 57.58,59.86 57.81,59.63 60.41,59.63 61.39,60.61 62.23,60.61 62.29,60.54 v1(62.69,60.54)
  BOTTOM w0.165: v1(62.69,60.54) 63.6,60.54 63.6,60.55 63.7,60.55 63.91,60.75 R52.2 ; U2.13 v1(76.74,64.2)
M.2_I2C0_SCL_1V8: length 10.1
  TOP w0.165: R332.2 80.41,63.49 80.44,63.52 v1(80.67,63.52)
  BOTTOM w0.165: 85.31,69.87 J4.60 85.31,68.92 81.94,65.55 81.28,65.55 80.36,64.63 80.36,63.82 v1(80.67,63.52) 80.69,63.5 80.69,63.26 80.47,63.04 U2.2
M.2_I2C0_SDA: length 33.3
  TOP w0.229: v1(50.44,58.09) 50.44,58.08 U19.AA5
  L3-SIGNAL w0.102: v1(64.37,58.72) 65.21,58.72 65.33,58.83 66.78,58.83 66.79,58.82 67.23,58.39 74.88,58.39 75.54,59.05 v1(75.54,63.34)
  L12-SIGNAL w0.102: v1(50.44,58.09) 50.68,58.09 51.08,57.69 54.09,57.69 54.16,57.76 63.42,57.76 v1(64.37,58.72)
  BOTTOM w0.165: v1(75.54,63.34) 75.84,63.04 75.84,62.79 76.09,62.54 U2.12 ; R54.2 v1(64.37,58.72)
M.2_I2C0_SDA_1V8: length 11.1
  TOP w0.165: R331.2 v1(80.85,64.2)
  BOTTOM w0.165: 85.81,69.87 J4.58 85.81,68.95 82.08,65.22 81.44,65.22 80.85,64.63 v1(80.85,64.2) 81.15,63.9 81.15,62.83 80.86,62.54 U2.3
M.2_I2C_ALERT#_1V8: length 10.8
  L12-SIGNAL w0.102: v1(81.59,63.05) 81.21,63.42 81.21,65.69 v1(81.53,66.01)
  BOTTOM w0.165: U2.4 81.02,62.04 81.59,62.61 v1(81.59,63.05) ; 84.81,69.87 J4.62 84.81,68.89 81.93,66.01 v1(81.53,66.01)
M.2_LED1#: length 1.2
  BOTTOM w0.165: v1(98.81,68.69) J4.6 98.81,69.87
M.2_LED2#: length 2.1
  TOP w0.165: TP11.1 96.04,67.94 v1(96.04,68.32)
  BOTTOM w0.165: v1(96.04,68.32) 96.31,68.59 J4.16 96.31,69.87
M.2_MCASP10_ACLKX_1.8V: length 7.7
  TOP w0.165: U32.1 95.85,71.67 96.13,71.95 96.13,72.69 v1(95.6,73.22)
  BOTTOM w0.165: J4.8 98.31,72.29 97.68,72.92 95.9,72.92 v1(95.6,73.22)
M.2_MCASP10_AFSX_1.8V: length 8.5
  TOP w0.165: v1(94.47,74.18) 94.47,73.75 94.47,73.74 U32.3
  BOTTOM w0.165: J4.10 97.81,72.23 97.46,72.58 95.2,72.58 94.47,73.31 94.47,73.74 94.47,73.75 v1(94.47,74.18)